# Altium PCB MK66MCU_V02.PcbDoc
Units mil, origin at the board's own origin, x right, y up, seen from the top; angles counter-clockwise.
Board outline 4645.68 x 3342.52 mil, 2 copper layers (Top Layer, Bottom Layer); 98 components, 108 nets, 442 pads, 105 vias.
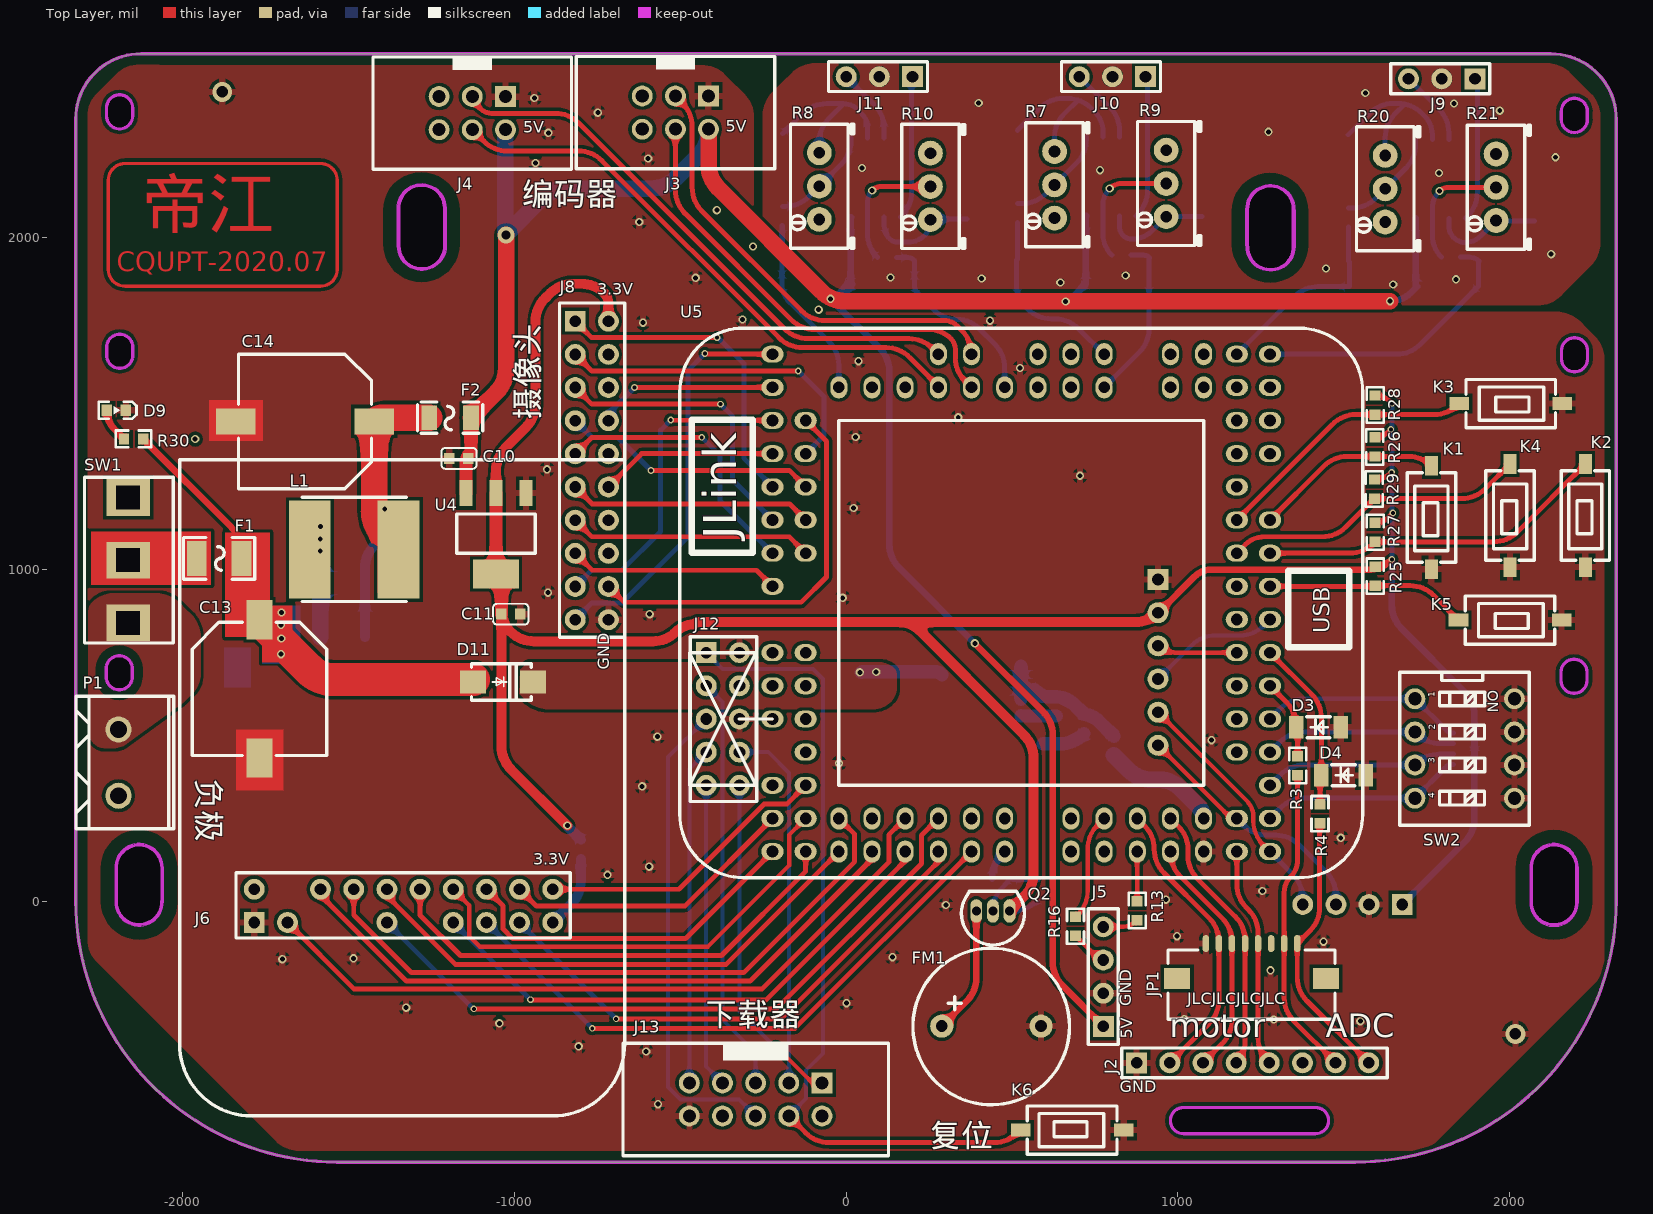
[diagram p0: Top Layer view]
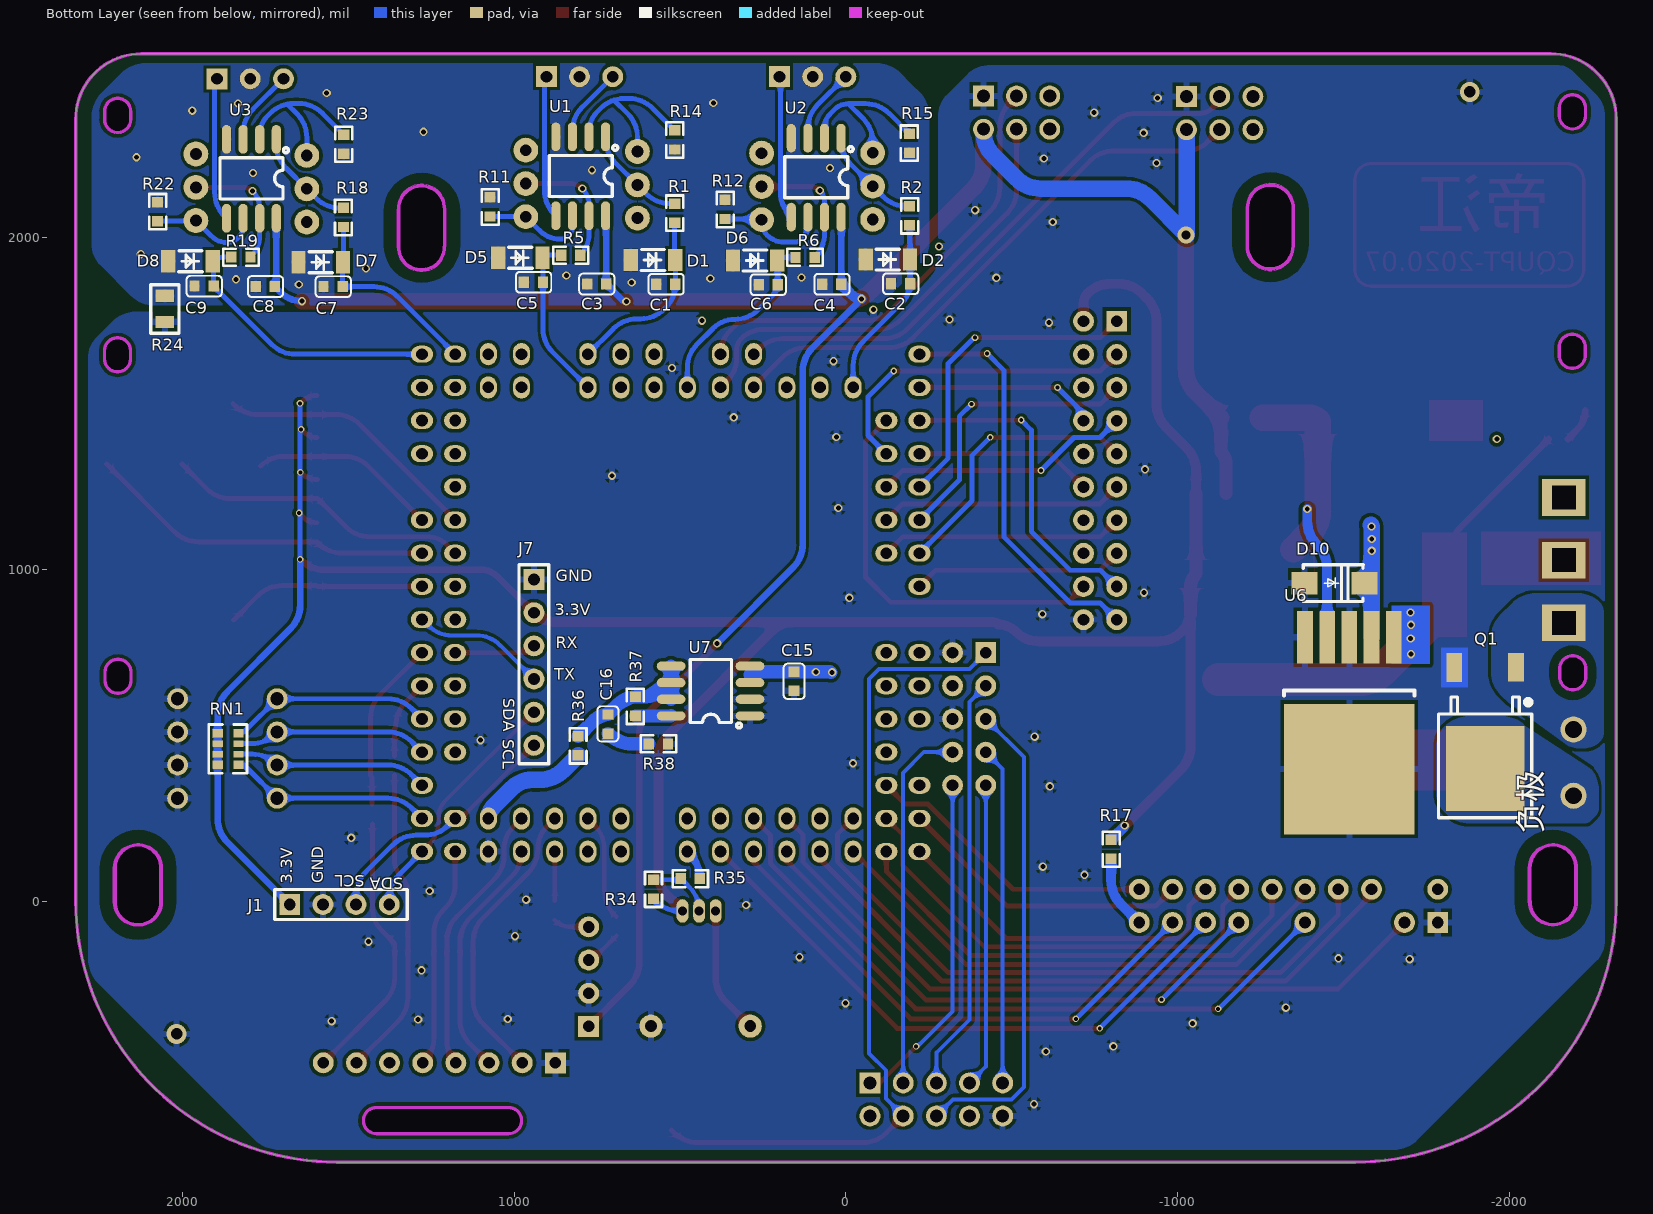
[diagram p1: Bottom Layer view, seen from below]
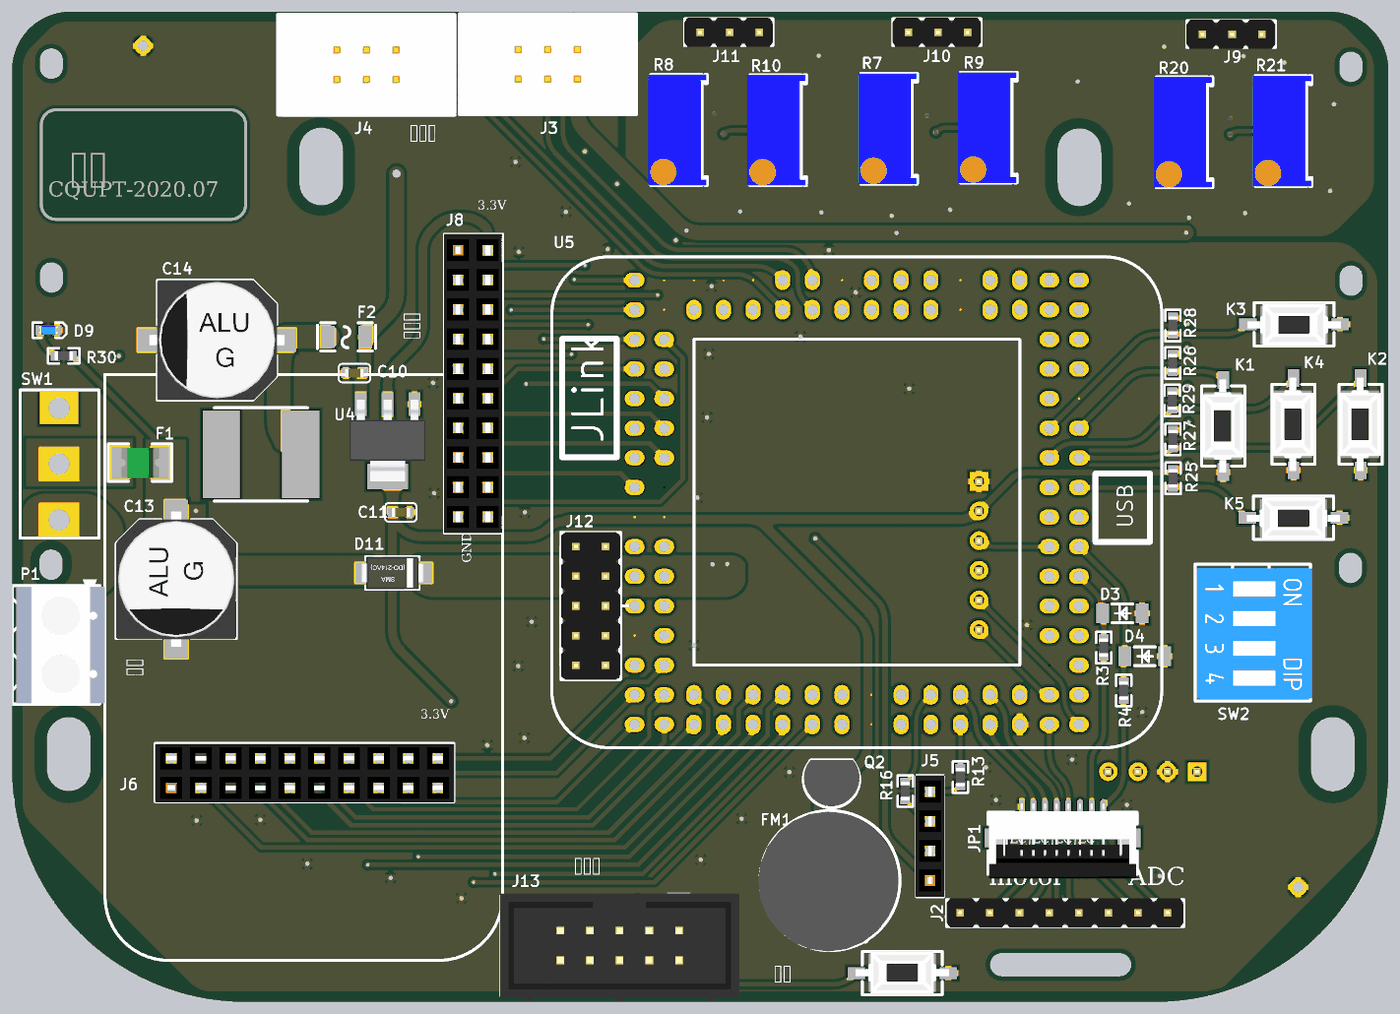
[diagram p2: 3D render of the assembled board from above, using the file's embedded part models]
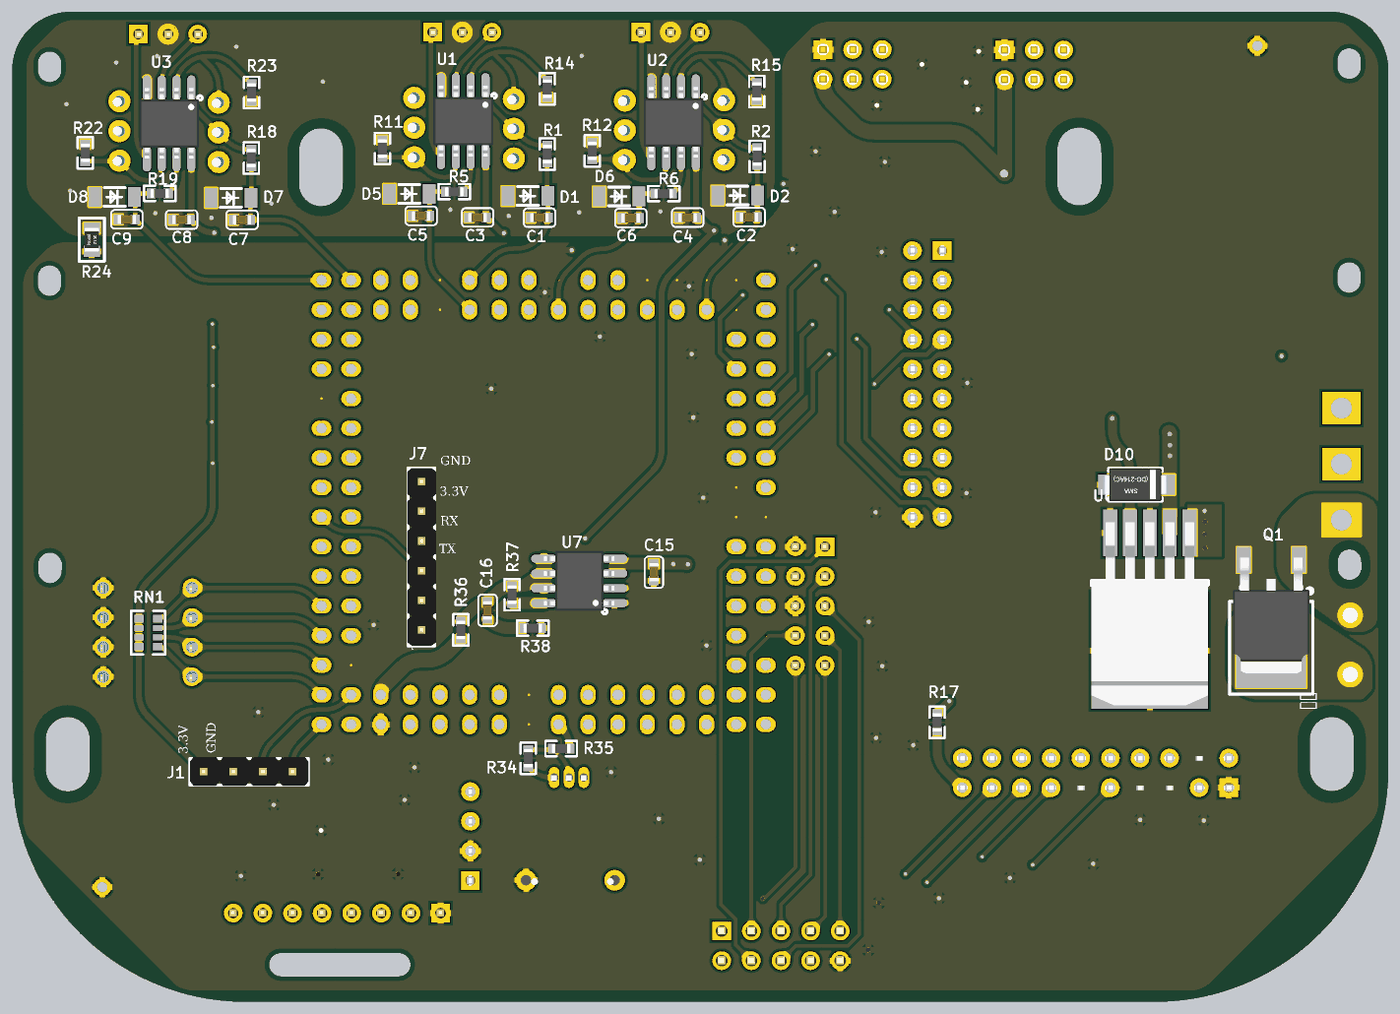
[diagram p3: 3D render of the assembled board from below, using the file's embedded part models]

## Layer stack, top to bottom
Top Solder: solder mask 0.4, Solder Resist, Dk 3.5
Top Layer: signal copper 1.4
Dielectric 1: dielectric 12.6, FR-4, Dk 4.8
Bottom Layer: signal copper 1.4
Bottom Solder: solder mask 0.4, Solder Resist, Dk 3.5

## Board outline
-2322.83,0 -2322.83,2358.27 -2322.85,2358.27 cw(c-2126,2358.27) -2126,2555.12 2125.98,2555.12 2125.98,2554.85 cw(c2125.98,2358) 2322.83,2358 2322.83,0 cw(c1535.43,0) 1535.43,-787.4 -1535.43,-787.4 cw(c-1535.43,0)
cut-out: -2205.79,-2 ccw(c-2131.88,-2) -2057.97,-2 ccw(c-2131.88,-2) -2057.99,-0.33 ccw(c-2062.99,0) -2057.98,0 -2057.98,100 ccw(c-2131.89,100) -2205.79,98.94
cut-out: 2061.22,-3 ccw(c2135.13,-3) 2209.04,-3 ccw(c2135.13,-3) 2209.03,-1.33 ccw(c2204.02,-1) 2209.04,-1 2209.04,100 ccw(c2135.12,100) 2061.22,98.94
cut-out: 1206.64,1974.21 cw(c1211,1976.69) 1205.99,1976.69 1205.99,2085.43 cw(c1279.87,2087.5) 1353.78,2087.5 cw(c1348.77,2087.5) 1353.55,2085.98 cw(c1349.19,2083.5) 1354.2,2083.5 1354.2,1974.76 cw(c1280.32,1972.69) 1354.23,1972.69 cw(c1280.32,1972.69) 1206.41,1972.69 cw(c1211.42,1972.69)
cut-out: -1352.86,1976.71 cw(c-1348.5,1979.19) -1353.51,1979.19 -1353.51,2087.93 cw(c-1279.63,2090) -1205.72,2090 cw(c-1210.73,2090) -1205.95,2088.48 cw(c-1210.31,2086) -1205.3,2086 -1205.3,1977.26 cw(c-1279.18,1975.19) -1205.27,1975.19 cw(c-1279.18,1975.19) -1353.09,1975.19 cw(c-1348.08,1975.19)
cut-out: -2230,2367.63 -2230,2392 cw(c-2190.63,2392) -2151.26,2392 -2151.26,2367.63 cw(c-2190.63,2367.63)
cut-out: -2229.5,1645.63 -2229.5,1670 cw(c-2190.13,1670) -2150.76,1670 -2150.76,1645.63 cw(c-2190.13,1645.63)
cut-out: -2231,676.13 ccw(c-2191.63,676.13) -2152.26,676.13 -2152.26,700.5 ccw(c-2191.63,700.5) -2231,700.5
cut-out: 2156,665.5 ccw(c2195.37,665.5) 2234.74,665.5 2234.74,689.87 ccw(c2195.37,689.87) 2156,689.87
cut-out: 2157.5,1635 ccw(c2196.87,1635) 2236.24,1635 2236.24,1659.37 ccw(c2196.87,1659.37) 2157.5,1659.37
cut-out: 2157,2357 ccw(c2196.37,2357) 2235.74,2357 2235.74,2381.37 ccw(c2196.37,2381.37) 2157,2381.37
cut-out: 1017.57,-701.5 1415.94,-701.5 ccw(c1415.94,-662.13) 1415.94,-622.76 1017.57,-622.76 ccw(c1017.57,-662.13)

## Design rules (kind name [scope] priority, off if disabled: settings)
Clearance [All] p1: gap=10
ComponentClearance [All] p1 off: gap=10 collisioncheckmode=3 verticalgap=10 showdistances=FALSE
Height [All] p1 off: minheight=0 maxheight=1000 prefheight=500
PolygonConnect [All vs InNet('GND')] p1: connectstyle=Relief reliefconductorwidth=20 reliefentries=4 polygonreliefangle="90 Angle" airgapwidth=10
RoutingVias [All] p1: holewidth=28 width=50 viastyle="Through Hole" minholewidth=28 minwidth=50 maxholewidth=28 maxwidth=50
SolderMaskExpansion [All] p1: expansion=4
Width [All] p1: maxlimit=500 minlimit=10 preferedwidth=15
28 further rules are at their usual default settings.

## Components (designator, comment, footprint, x,y, rotation, side; value= is the part's Value field where it differs from the comment)
C1 "22uf" CAP_0603 543,1860 r0 bottom
C2 "22uf" CAP_0603 -164.5,1861.5 r0 bottom
C3 "104" CAP_0603 752,1860.6 r0 bottom
C4 "104" CAP_0603 42.76,1860 r0 bottom
C5 "22uf" CAP_0603 942.5,1866 r0 bottom
C6 "22uf" CAP_0603 235,1858.5 r0 bottom
C7 "22uf" CAP_0603 1547,1852.6 r0 bottom
C8 "104" CAP_0603 1751,1853.1 r0 bottom
C9 "22uf" CAP_0603 1936,1854.1 r0 bottom
C10 "106" CAP_0603 -1167.74,1335 r180 top
C11 "104" CAP_0603 -1010.5,865 r0 top
C13 "470uF/35V" CAPE_SMD_G_10.6 -1769,639.5 r90 top
C14 "220uF/25V" CAPE_SMD_G_10.6 -1631.5,1446.5 r0 top
C15 "104" CAP_0603 156.5,663 r90 bottom
C16 "106" CAP_0603 718,533.74 r270 bottom
D1 "ZMM3V3" LL-34_L3.5-W1.5-RD 582,1933 r0 bottom
D2 "ZMM3V3" LL-34_L3.5-W1.5-RD -126.07,1934.5 r0 bottom
D3 "ZMM3V3" LL-34_L3.5-W1.5-RD 1425,524 r0 top
D4 "ZMM3V3" LL-34_L3.5-W1.5-RD 1500.5,379 r0 top
D5 "ZMM3V3" LL-34_L3.5-W1.5-RD 982,1940 r0 bottom
D6 "ZMM3V3" LL-34_L3.5-W1.5-RD 274,1931.5 r0 bottom
D7 "ZMM3V3" LL-34_L3.5-W1.5-RD 1584,1926.6 r0 bottom
D8 "ZMM3V3" LL-34_L3.5-W1.5-RD 1976.43,1929.6 r0 bottom
D9 "LED" LED_0603_B -2200.5,1480 r180 top
D10 "SS54/5A/40V" DO214_SMA -1564,958.5 r0 bottom
D11 "SS54/5A/40V" DO214_SMA -944,660.5 r180 top
F1 "JK-NSMD100-16V" FUSE_1210 -1890.5,1033 r180 top
F2 "JK-NSMD100-16V" F1206 -1194,1457.5 r0 top
FM1 "BUZZER" BUZZ-12*7.5 438.5,-377 r0 top
J1 "Header" "Header 2.54X4" 1527.5,-10.5 r180 bottom
J2 "Header" "Header 2.54X8" 1226.5,-488 r0 top
J3 "Header 2.54_2X3" IDC_6P -514.5,2377.5 r180 top
J4 "Header 2.54_2X3" IDC_6P -1127,2376 r180 top
J5 "Header" "Header F 2.54X4" 776,-228 r90 top
J6 "Header" "Header F 2.54_2x10"#1 -1334.5,-14.5 r0 top locked
J7 "Header" "Header 2.54X6" 941,719.5 r270 bottom
J8 "Header" "Header F 2.54_2x10"#2 -766.5,1298.5 r270 top locked
J9 "Header" "Header 2.54X3" 1796.5,2479.5 r180 top
J10 "Header" "Header 2.54X3" 803.5,2486 r180 top
J11 "Header" "Header 2.54X3" 100.5,2486 r180 top
J12 "Header 2.54_2X5" "Header 2.54_2X5" -371.5,549 r270 top
J13 "Header 2.54_2X5" IDC_10P -272.5,-598.5 r180 top
JP1 "FPC_8pin" FPC_1.0_8P 1223,-181 r0 top
K1 "TS-Button_2P" SW_SMD_6.1*3.7 1765.5,1156.5 r90 top
K2 "TS-Button_2P" SW_SMD_6.1*3.7 2229.5,1162.5 r90 top
K3 "TS-Button_2P" SW_SMD_6.1*3.7 2004.5,1500 r180 top
K4 "TS-Button_2P" SW_SMD_6.1*3.7 2002.5,1162.5 r90 top
K5 "TS-Button_2P" SW_SMD_6.1*3.7 2002.5,847 r180 top
K6 "TS-Button_2P" SW_SMD_6.1*3.7 682,-691 r0 top
L1 "33uH" IND-SMD_L8.0-W8.0 -1483,1060.5 r180 top
P1 "KF-2P-5.08" KF_2P-5.08 -2194,417.5 r270 top
Q1 "IRLR7843TRPBF" TO-252-2 -1927.5,552 r0 bottom
Q2 "2N3906" TO_92A 443,-30 r180 top
R1 "100" RES_0603 516.5,2074.5 r90 bottom
R2 "100" RES_0603 -192,2066.24 r90 bottom
R3 "2k" RES_0603 1362,408.5 r270 top
R4 "2k" RES_0603 1429.5,263.5 r270 top
R5 "100" RES_0603 830.26,1947.5 r180 bottom
R6 "100" RES_0603 123.5,1941 r180 bottom
R7 "100k" RES_POT-3296W 629,2160 r90 top
R8 "100k" RES_POT-3296W -80.5,2155.9 r90 top
R9 "100k" RES_POT-3296W 965.5,2164 r90 top
R10 "100k" RES_POT-3296W 254.5,2155 r90 top
R11 "510" RES_0603 1073,2093 r270 bottom
R12 "510" RES_0603 364.5,2085.5 r270 bottom
R13 "1k" RES_0603 878,-28.76 r270 top
R14 "510" RES_0603 516.5,2295 r270 bottom
R15 "510" RES_0603 -191,2285.5 r270 bottom
R16 "1k" RES_0603 692,-76 r270 top
R17 "120" RES_0603 -799.5,156 r90 bottom
R18 "100" RES_0603 1515.5,2061.35 r90 bottom
R19 "100" RES_0603 1824.5,1941.6 r180 bottom
R20 "100k" RES_POT-3296W 1626,2148 r90 top
R21 "100k" RES_POT-3296W 1960.5,2152.5 r90 top
R22 "510" RES_0603 2076,2078.85 r270 bottom
R23 "510" RES_0603 1514.5,2282.1 r270 bottom
R24 "res" RES_0805 2054,1785.5 r270 bottom
R25 "10k" RES_0603 1596,979.76 r90 top
R26 "10k" RES_0603 1595,1369.24 r90 top
R27 "10k" RES_0603 1595.5,1112 r90 top
R28 "10k" RES_0603 1595.5,1495.74 r90 top
R29 "10k" RES_0603 1593.5,1242.5 r90 top
R30 "2k" RES_0603 -2148.5,1393.5 r0 top
R34 "10k" RES_0603 580.5,35 r90 bottom
R35 "1k" RES_0603 469.26,67.5 r0 bottom
R36 "0Ω" RES_0603 808,468 r270 bottom
R37 "240K" RES_0603 635,587 r90 bottom
R38 "1Ω" RES_0603 565.5,474 r0 bottom
RN1 "10k" RES-ARRAY-SMD_0603-8P-L3.2-W1.6-BL 1863.49,458.75 r90 bottom
SW1 "PowerSwitch" SW-TH_K3-1260D-K1 -2164.5,1027.98 r0 top
SW2 "拨码开关4P" VDG/S-04HG-R 1865.5,460 r270 top
U1 "LMV358IDR" SOIC-8_150MIL 800,2185.5 r270 bottom
U2 "LMV358IDR" SOIC-8_150MIL 90,2181.5 r270 bottom
U3 "LMV358IDR" SOIC-8_150MIL 1793,2178 r270 bottom
U4 "AMS1117-3.3" SOT-223_3 -1055.5,1108 r90 top
U5 "MK66CoreBoard" MK66_MCU -221.5,549 r90 top locked
U6 "LM2596S-5.0/TR_C340931" TO-263_5 -1517.93,460.85 r270 bottom
U7 "TPS7350QDR" SOIC-8_150MIL 408.5,633.5 r0 bottom

## Footprints (in the part's own frame and the unit in brackets; to place one, negate y for a bottom-side part, rotate by r counter-clockwise, add the part's x,y. Pads: shape width x height; smd on the part's side, far side on the other; paste and mask are expansions set on the pad)
BUZZ-12*7.5 [mil] "外径12mm，脚距7.5mm"
  round 70 hole 35.4: 1(-149.6,0) 2(149.6,0)
  silkscreen extent -237,-237 236,235, body extent -243,-241 229,232, height 339
CAP_0603 [mm]
  rect 0.8x0.85 smd: 1(-0.73,0) 2(0.73,0)
  silkscreen extent -1.36,-0.8 1.34,0.8, body extent -0.8,-0.4 0.8,0.4, height 0.6
CAPE_SMD_G_10.6 [mm] "10X10.3X10.2"
  rect 3x2 smd: 1(5.3,0) 2(-5.3,0)
  silkscreen extent -5.1,-5.15 5.1,5.15, body extent -5.8,-5.15 5.8,5.15, height 10.2
DO214_SMA [mm] "贴片二极管"
  rect 2x1.75 smd: 1(4.6,0) 2(0,0)
  silkscreen extent 0.11,-1.4 4.71,1.4, body extent -0.34,-1.4 5.16,1.4, height 2.6
F1206 [mm]
  rect 1.2x1.9 smd: 1(-1.6,0) 2(1.6,0)
  silkscreen extent -2.5,-1.2 2.5,1.2
FPC_1.0_8P [mm]
  oval 0.5x1.3 smd: 1(-3.5,1.34) 2(-2.5,1.34) 3(-1.5,1.34) 4(-0.5,1.34) 5(0.5,1.34) 6(1.5,1.34) 7(2.5,1.34) 8(3.5,1.34)
  rect 2x1.6 smd: 9(-5.7,-1.34) 10(5.7,-1.34)
  silkscreen extent -6.4,-4.46 6.4,0.84, body extent -6.3,-4.86 6.3,1.64, height 2.2
FUSE_1210 [mm]
  rect 1.52x2.7 smd: 1(-1.71,0) 2(1.71,0)
  silkscreen extent -2.73,-1.6 2.73,1.6, body extent -1.61,-1.28 1.61,1.3, height 0.67
"Header 2.54_2X5" [mm]
  rect 1.6x1.6 hole 0.9: 1(-5.08,-1.27)
  round 1.6 hole 0.9: 2(-2.54,-1.27) 3(0,-1.27) 4(2.54,-1.27) 5(5.08,-1.27) 6(5.08,1.27) 7(2.54,1.27) 8(0,1.27) 9(-2.54,1.27) 10(-5.08,1.27)
  silkscreen extent -6.31,-2.5 6.32,2.6, body extent -6.35,-2.5 6.35,2.58, height 8.6
"Header 2.54X3" [mm]
  rect 1.6x1.6 hole 0.9: 1(-2.54,0)
  round 1.6 hole 0.9: 2(0,0) 3(2.54,0)
  silkscreen extent -3.68,-1.14 3.9,1.14, body extent -3.68,-1.23 3.94,1.27, height 8.3
"Header 2.54X4" [mm]
  rect 1.6x1.6 hole 0.9: 1(-3.81,0)
  round 1.6 hole 0.9: 2(-1.27,0) 3(1.27,0) 4(3.81,0)
  silkscreen extent -4.95,-1.14 5.19,1.14, body extent -4.95,-1.23 5.21,1.27, height 8.3
"Header 2.54X6" [mm]
  rect 1.6x1.6 hole 0.9: 1(-6.35,0)
  round 1.6 hole 0.9: 2(-3.81,0) 3(-1.27,0) 4(1.27,0) 5(3.81,0) 6(6.35,0)
  silkscreen extent -7.49,-1.14 7.75,1.14, body extent -7.49,-1.23 7.75,1.27, height 8.3
"Header 2.54X8" [mm]
  rect 1.6x1.6 hole 0.9: 1(-8.89,0)
  round 1.6 hole 0.9: 2(-6.35,0) 3(-3.81,0) 4(-1.27,0) 5(1.27,0) 6(3.81,0) 7(6.35,0) 8(8.89,0)
  silkscreen extent -10.03,-1.14 10.31,1.14, body extent -10.03,-1.23 10.29,1.27, height 8.3
"Header F 2.54_2x10"#1 [mm]
  rect 1.6x1.6 hole 0.9: 1(-11.43,-1.27)
  round 1.6 hole 0.9: 2(-8.89,-1.27) 5(-1.27,-1.27) 7(3.81,-1.27) 8(6.35,-1.27) 9(8.89,-1.27) 10(11.43,-1.27) 11(11.43,1.27) 12(8.89,1.27) 13(6.35,1.27) 14(3.81,1.27) 15(1.27,1.27) 16(-1.27,1.27) 17(-3.81,1.27) 18(-6.35,1.27) 20(-11.43,1.27)
  round 0 all layers, no hole: 3(-6.35,-1.27) 4(-3.81,-1.27) 6(1.27,-1.27) 19(-8.89,1.27)
  silkscreen extent -12.83,-2.47 12.77,2.53, body extent -12.85,-2.52 12.8,2.48, height 8.6
"Header F 2.54_2x10"#2 [mm]
  rect 1.6x1.6 hole 0.9: 1(-11.43,-1.27)
  round 1.6 hole 0.9: 2(-8.89,-1.27) 3(-6.35,-1.27) 4(-3.81,-1.27) 5(-1.27,-1.27) 6(1.27,-1.27) 7(3.81,-1.27) 8(6.35,-1.27) 9(8.89,-1.27) 10(11.43,-1.27) 11(11.43,1.27) 12(8.89,1.27) 13(6.35,1.27) 14(3.81,1.27) 15(1.27,1.27) 16(-1.27,1.27) 17(-3.81,1.27) 18(-6.35,1.27) 19(-8.89,1.27) 20(-11.43,1.27)
  silkscreen extent -12.83,-2.47 12.77,2.53, body extent -12.85,-2.52 12.8,2.48, height 8.6
"Header F 2.54X4" [mm]
  rect 1.6x1.6 hole 0.9: 1(-3.81,0)
  round 1.6 hole 0.9: 2(-1.27,0) 3(1.27,0) 4(3.81,0)
  silkscreen extent -5.2,-1.14 5.19,1.14, body extent -5.21,-1.25 5.21,1.25, height 8.6
IDC_6P [mm]
  rect 1.6x1.6 hole 1: 1(-2.54,-1.27)
  round 1.6 hole 1: 2(0,-1.27) 3(2.54,-1.27) 4(2.54,1.27) 5(0,1.27) 6(-2.54,1.27)
  silkscreen extent -7.6,-4.3 7.6,4.3, body extent -7.62,-4.45 7.62,4.45, height 8.93
IDC_10P [mm]
  rect 1.6x1.6 hole 1: 1(-5.08,-1.27)
  round 1.6 hole 1: 2(-2.54,-1.27) 3(0,-1.27) 4(2.54,-1.27) 5(5.08,-1.27) 6(5.08,1.27) 7(2.54,1.27) 8(0,1.27) 9(-2.54,1.27) 10(-5.08,1.27)
  silkscreen extent -10.17,-4.3 10.16,4.3, body extent -10.26,-4.58 10.24,4.72, height 9.1
IND-SMD_L8.0-W8.0 [mm]
  rect 3.2x7.5 smd: 1(-3.4,0) 2(3.4,0)
  silkscreen extent -4,-4 4,4
KF_2P-5.08 [mm] "WJ500V-5.08-2P"
  round 2 hole 1.3: 1(-2.54,0) 2(2.54,0)
  silkscreen extent -5.08,-3.25 5.08,4.24, body extent -5.6,-2.91 5,4.69, height 10.1
LED_0603_B [mm]
  rect 0.8x0.85 smd: A(0.73,0) C(-0.73,0)
  silkscreen extent -1.55,-0.65 1.35,0.65, body extent -0.81,-0.4 0.81,0.4, height 0.6
LL-34_L3.5-W1.5-RD [mm]
  rect 1.1x1.7 smd: 1(-1.7,0) 2(1.7,0)
  silkscreen extent -0.9,-0.8 0.9,0.8
MK66_MCU [mm]
  oval 1.7x1.3 hole 0.9: 1(-10.16,-5.08) 2(-7.62,-5.08) 3(-10.16,-7.62) 4(-7.62,-7.62) 5(-10.16,-10.16) 6(-7.62,-10.16) 7(-10.16,-12.7) 8(-7.62,-12.7) 9(-10.16,-15.24) 10(-7.62,-15.24) 11(-10.16,-17.78) 12(-7.62,-17.78) 15(-10.16,-22.86) 16(-7.62,-22.86) 17(-10.16,-25.4) 18(-7.62,-25.4) 19(-10.16,-27.94) 20(-7.62,-27.94) 21(-10.16,-30.48) 22(-7.62,-30.48) 23(-10.16,-33.02) 24(-7.62,-33.02) 57(25.4,-5.08) 59(25.4,-7.62) 61(25.4,-10.16) 63(25.4,-12.7) 64(27.94,-12.7) 65(25.4,-15.24) 66(27.94,-15.24) 67(25.4,-17.78) 69(25.4,-20.32) 70(27.94,-20.32) 71(25.4,-22.86) 72(27.94,-22.86) 73(25.4,-25.4) 74(27.94,-25.4) 77(25.4,-30.48) 78(27.94,-30.48) 79(25.4,-33.02) 80(27.94,-33.02)
  round 0 all layers, no hole: 13(-10.16,-20.32) 14(-7.62,-20.32) 30(-5.08,-35.56) 47(17.78,-38.1) 58(27.94,-5.08) 60(27.94,-7.62) 62(27.94,-10.16) 68(27.94,-17.78) 75(25.4,-27.94) 76(27.94,-27.94) 88(-2.54,0) 95(7.62,-2.54) 96(7.62,0) 97(10.16,-2.54) 109(25.4,-2.54) 111(27.94,-2.54)
  oval 1.3x1.7 hole 0.9: 25(-10.16,-38.1) 26(-10.16,-35.56) 27(-7.62,-38.1) 28(-7.62,-35.56) 29(-5.08,-38.1) 31(-2.54,-38.1) 32(-2.54,-35.56) 33(0,-38.1) 34(0,-35.56) 35(2.54,-38.1) 36(2.54,-35.56) 37(5.08,-38.1) 38(5.08,-35.56) 39(7.62,-38.1) 40(7.62,-35.56) 41(10.16,-38.1) 42(10.16,-35.56) 43(12.7,-38.1) 44(12.7,-35.56) 45(15.24,-38.1) 46(15.24,-35.56) 48(17.78,-35.56) 49(20.32,-38.1) 50(20.32,-35.56) 51(22.86,-38.1) 52(22.86,-35.56) 53(25.4,-38.1) 54(25.4,-35.56) 55(27.94,-38.1) 56(27.94,-35.56) 81(-10.16,-2.54) 82(-10.16,0) 83(-7.62,-2.54) 84(-7.62,0) 85(-5.08,-2.54) 86(-5.08,0) 87(-2.54,-2.54) 89(0,-2.54) 90(0,0) 91(2.54,-2.54) 92(2.54,0) 93(5.08,-2.54) 94(5.08,0) 98(10.16,0) 99(12.7,-2.54) 100(12.7,0) 101(15.24,-2.54) 102(15.24,0) 103(17.78,-2.54) 104(17.78,0) 105(20.32,-2.54) 106(20.32,0) 107(22.86,-2.54) 108(22.86,0) 110(25.4,0) 112(27.94,0)
  silkscreen extent -12.16,-45.21 29.94,7.11
RES-ARRAY-SMD_0603-8P-L3.2-W1.6-BL [mm]
  rect 0.65x0.8 smd: 1(-1.2,-0.8) 4(1.2,-0.8) 5(1.2,0.8) 8(-1.2,0.8)
  rect 0.5x0.8 smd: 2(-0.4,-0.8) 3(0.4,-0.8) 6(0.4,0.8) 7(-0.4,0.8)
  silkscreen extent -1.87,-1.45 1.87,1.47
RES_0603 [mm]
  rect 0.8x0.85 smd: 1(-0.73,0) 2(0.73,0)
  silkscreen extent -1.35,-0.65 1.35,0.65, body extent -0.8,-0.4 0.8,0.4, height 0.38
RES_0805 [mm]
  rect 0.95x1.4 smd: 1(-1,0) 2(1,0)
  silkscreen extent -1.85,-1.08 1.85,1.08, body extent -1,-0.62 1,0.63, height 0.45
RES_POT-3296W [mm] "RES-ADJ-TH_3P-L9.5-W4.9-P2.50-L_3296W"
  round 1.9 hole 0.9: 1(-2.55,0) 2(-0.01,0) 3(2.55,0)
  silkscreen extent -4.75,-2.64 4.75,2.2, body extent -4.75,-2.59 4.75,2.41, height 11.5
SOIC-8_150MIL [mm]
  oval 2.2x0.7 smd: 1(-3.023,1.905) 2(-3.023,0.635) 3(-3.023,-0.635) 4(-3.023,-1.905) 5(3.023,-1.905) 6(3.023,-0.635) 7(3.023,0.635) 8(3.023,1.905)
  silkscreen extent -2.37,-2.41 1.55,2.83, body extent -3.03,-2.57 3.03,2.56, height 1.95
SOT-223_3 [mm]
  rect 2x1 smd: 1(3.1,-2.3) 2(3.1,0) 3(3.1,2.3)
  rect 2.2x3.5 smd: 4(-3.1,0)
  silkscreen extent -1.5,-3 1.5,3, body extent -3.5,-3.25 3.5,3.25, height 1.64
SW-TH_K3-1260D-K1 [mm]
  rect 3.3x2.8 hole 1.8 square: 1(0,4.8) 2(0,0) 3(0,-4.8)
  silkscreen extent -3.35,-6.35 3.44,6.35
SW_SMD_6.1*3.7 [mm] "SW-SMD_L6.1-W3.7-LS7.9"
  rect 1.5x1 smd: A(-3.95,0) B(3.95,0)
  silkscreen extent -3.43,-1.85 3.43,1.85, body extent -4,-1.8 4,1.9, height 2.6
TO-252-2 [mil]
  rect 47.24x86.62 smd: 1(-93,-152.6) 3(93,-152.4)
  rect 236.22x255.9 smd: 4(0,152.6)
  silkscreen extent -141,-63 141,301, body extent -129,-160 129,231, height 94
TO-263_5 [mm]
  rect 4x1.2 smd: 1(-8.5,3.4) 2(-8.5,1.7) 3(-8.5,0) 4(-8.5,-1.7) 5(-8.5,-3.4)
  rect 10x10 smd: 6(1.6,0)
  silkscreen extent -4.41,-5 -4.03,5, body extent -9.4,-5 6.27,5, height 4.78
TO_92A [mm]
  oval 0.9x1.8 hole 0.7: 1(-1.27,0) 2(0,0) 3(1.27,0)
  silkscreen extent -2.41,-1.5 2.41,2.6, body extent -2.42,-1.49 2.38,2.44, height 7
VDG/S-04HG-R [mm]
  round 1.6 hole 1: 1(-3.81,-3.81) 2(-1.27,-3.81) 3(1.27,-3.81) 4(3.81,-3.81) 5(3.81,3.81) 6(1.27,3.81) 7(-1.27,3.81) 8(-3.81,3.81)
  silkscreen extent -5.84,-4.96 5.89,4.95, body extent -5.48,-4.82 5.68,5.08, height 7

## Part data
C1 C2 C3 C4 C5 C6 C7 C8 C9 C10 C11 C15 C16: library part CAP_0603
C13 C14: library part CAP_E_SMD, "贴片电解电容"
D9: library part LED_0603, "发光LED"
D10 D11: library part SS54
FM1: "蜂鸣器"
J1 J5: library part "Header 2.54_4"
J2: library part "Header 2.54_8"
J6 J8: library part "Header 2.54_2X10"
J7: library part "Header 2.54_6"
J9 J10 J11: library part "Header 2.54_3"
K1 K2 K3 K4 K5 K6: "贴片按键 3*6*2.5"
L1: library part Inductor
P1: "端子2P"
Q1: "MOS管"
Q2: "三极管PNP"
R1 R2 R3 R4 R5 R6 R11 R12 R13 R14 R15 R16 R17 R18 R19 R22 R23 R25 R26 R27 R28 R29 R30 R34 R35 R36 R37 R38: library part RES_0603
R7 R8 R9 R10 R20 R21: library part RES_POT-3296W, "可调电阻3296W"
R24: library part RES_0805
RN1: library part RESW4
SW2: "DIP_4PX2*2.54"
